# KiCad board JumperlessV5r6.kicad_pcb (continued)
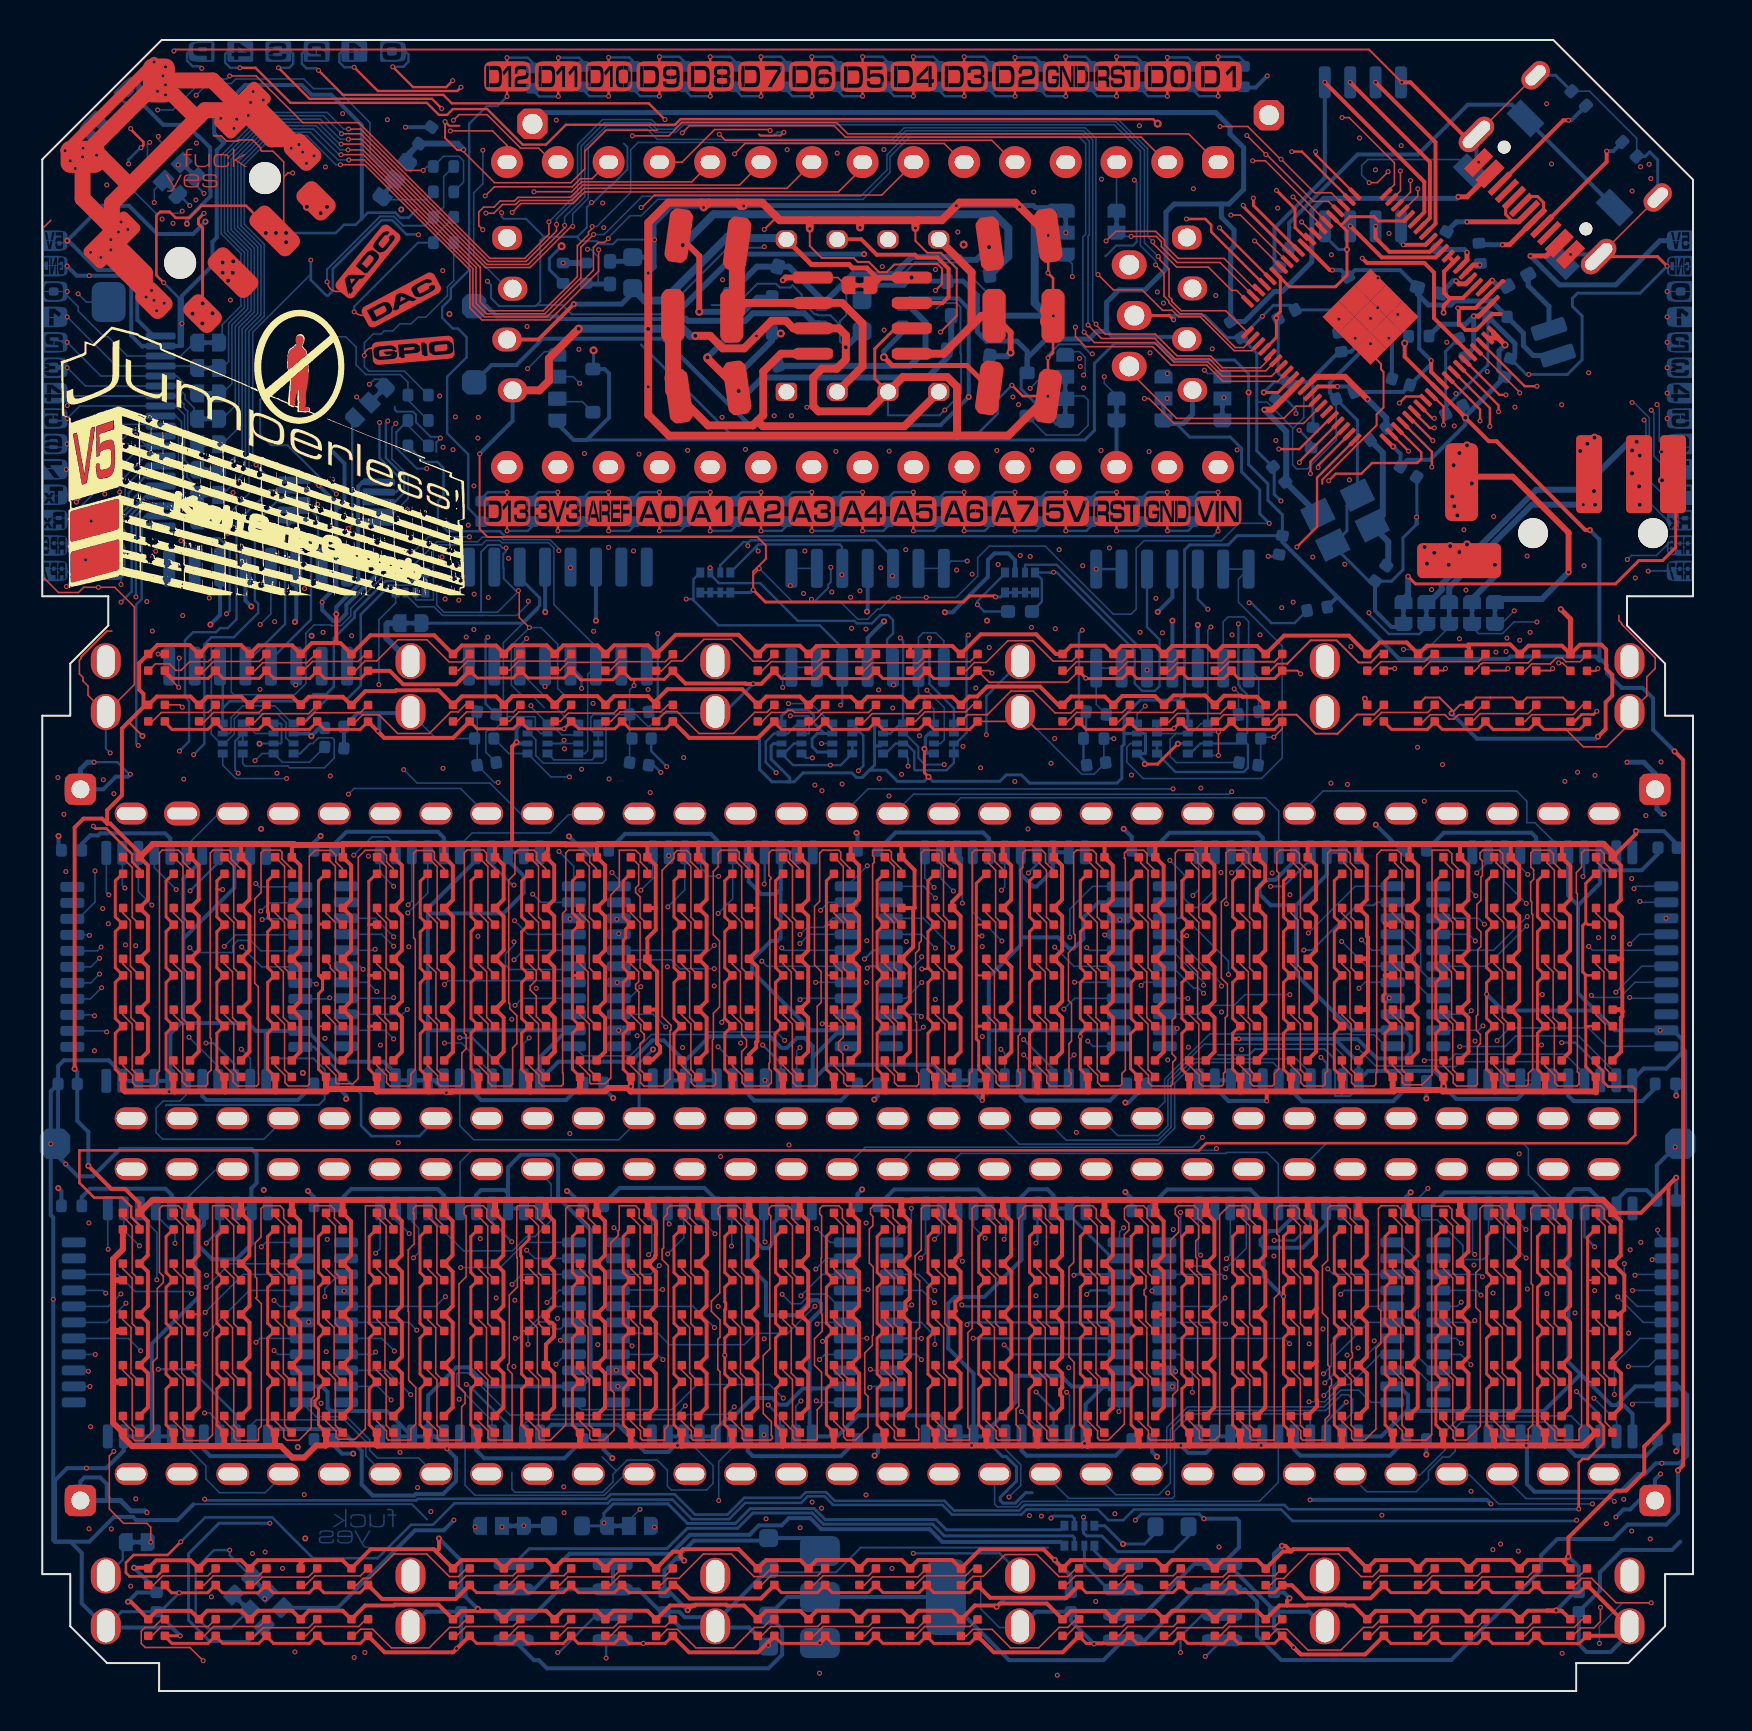
[diagram p0: board, top side]
## Footprints (pads in the part's own frame, mm; a bottom-side part is the same pattern mirrored in y, then rotated) (continued)
C_0402_1005Metric
  rrect 0.56x0.62 smd: 1(-0.48,0) 2(0.48,0)
C_0402_1005Metric_Pad0.74x0.62mm_HandSolder
  rrect 0.735x0.62 smd: 1(-0.568,0) 2(0.568,0)
C_0603_1608Metric
  rrect 0.9x0.95 smd: 1(-0.775,0) 2(0.775,0)
Connector_1x4_OLED_FRICTION_FIT
  rrect 1.48x1.2 hole 0.9: 1(-0.279,3.83)
  oval 1.48x1.2 hole 0.9: 2(0,1.29) 3(-0.279,-1.25) 4(0,-3.79)
Crystal_SMD_3225-4Pin_3.2x2.5mm
  rect 1.4x1.2 smd: 1(-1.1,-0.85) 2(1.1,-0.85) 3(1.1,0.85) 4(-1.1,0.85)
D_SOD-323
  rrect 0.635x0.762 smd: 1(-1.079,0) 2(1.079,0)
DaisyChainHeaderLEFT
  custom 0.046x0.046 smd: 1(0,0) 2(-0.002,-1.269) 3(0,-2.54) 4(0,-3.81) 5(0,-5.08) 6(0,-6.35) 7(0,-7.62) 8(0,-8.89) 9(0,-10.16) 10(0,-11.43) 11(0,-12.7) 12(0,-13.97) 13(0,-15.24) 14(0,-16.51)
daisychainRIGHT
  custom 0.046x0.046 smd: 1(0,0) 2(0,-1.27) 3(0,-2.54) 3(0,-2.54) 4(0,-3.81) 5(0,-5.08) 6(0,-6.35) 7(0,-7.62) 8(0,-8.89) 9(0,-10.16) 10(0,-11.43) 11(0,-12.7) 12(0,-13.97) 13(0,-15.24) 14(0,-16.51)
DIP8
  custom 0.9x0.9 hole 0.762x0.8: 1(-3.81,3.81) 2(-3.81,1.27) 3(-3.81,-1.27) 4(-3.81,-3.81) 5(3.81,-3.81) 6(3.81,-1.27) 7(3.81,1.27) 8(3.81,3.81)
FPC FC05-S20FCT
  rrect 0.35x1.5 smd: 1(0,0.75) 2(0.5,0.75) 3(1,0.75) 4(1.5,0.75) 5(2,0.75) 6(2.5,0.75) 7(3,0.75) 8(3.5,0.75) 9(4,0.75) 10(4.5,0.75) 11(5,0.75) 12(5.5,0.75) 13(6,0.75) 14(6.5,0.75) 15(7,0.75) 16(7.5,0.75) 17(8,0.75) 18(8.5,0.75) 19(9,0.75) 20(9.5,0.75)
  rrect 2x1.7 smd: MP(-1.7,3.35) MP(11.2,3.35)
L_pol_2016
  rrect 0.75x1.75 smd: 1(-0.7,0) 2(0.7,0)
Logo
  round 0.12 smd: 1(1.778,1.575) 2(-1.7,-1.345)
  custom 0.254x0.254 smd: 1(1.8,1.615) 2(-1.7,-1.345)
  custom 0.1x0.1 smd: 3(-10.795,-8.255) 4(-10.795,-10.16) 5(-10.8,-5.6) 6(-9.8,-5.4)
  custom 0.01x0.01 smd: 7(-11.27,-1.159) 7(-8.97,0.338) 7(-8.66,-0.37) 7(-6.85,-0.94) 7(-6.85,-1.57) 7(-6.12,-1) 7(-5.83,-0.85) 7(-5.35,-1.02) 7(-3.49,-1.77) 7(-2.48,-2.95)
  custom 0.001x0.001 smd: 7(-10.02,-1.148) 7(-9.938,-1.112) 7(-9.869,-1.326) 7(-9.838,-1.066) 7(-9.794,-1.044) 7(-9.748,-1.02) 7(-9.645,-1.222) 7(-9.602,-1.199) 7(-4.4,-1.48) 7(-2.24,-2.27) 7(-1.738,-3.6) 7(-1.63,-2.52) 8(-0.044,-4.22) 8(0.33,-3.81) 8(0.536,-3.4) 8(0.95,-4.309) 8(1.47,-3.99) 8(1.677,-3.89) 8(2.07,-4.01) 8(2.92,-4.61) 8(3.37,-4.87) 8(4.07,-4.82) 8(4.26,-5.36) 8(4.54,-5.691) 8(5.2,-5.742) 8(5.231,-6.25) 8(5.92,-5.6) 8(6.43,-6.11) 8(6.54,-6.719) 8(7.31,-6.17)
  round 0.001 smd: 8(4.349,-5.91)
LQFP44_Tight
  rrect 1.2x0.5 smd: 1(-6.106,3.599) 2(-6.106,2.799) 3(-6.106,1.999) 4(-6.106,1.199) 5(-6.106,0.399) 6(-6.106,-0.401) 7(-6.106,-1.201) 8(-6.106,-2.001) 9(-6.106,-2.801) 10(-6.106,-3.601) 11(-6.106,-4.401) 23(5.294,-4.401) 24(5.294,-3.601) 25(5.294,-2.801) 26(5.294,-2.001) 27(5.294,-1.201) 28(5.294,-0.401) 29(5.294,0.399) 30(5.294,1.199) 31(5.294,1.999) 32(5.294,2.799) 33(5.294,3.599)
  rrect 0.5x1.2 smd: 12(-4.406,-6.101) 13(-3.606,-6.101) 14(-2.806,-6.101) 15(-2.006,-6.101) 16(-1.206,-6.101) 17(-0.406,-6.101) 18(0.394,-6.101) 19(1.194,-6.101) 20(1.994,-6.101) 21(2.794,-6.101) 22(3.594,-6.101) 34(3.594,5.299) 35(2.794,5.299) 36(1.994,5.299) 37(1.194,5.299) 38(0.394,5.299) 39(-0.406,5.299) 40(-1.206,5.299) 41(-2.006,5.299) 42(-2.806,5.299) 43(-3.606,5.299) 44(-4.406,5.299)
MSOP-10_3x3mm_P0.5mm
  rrect 1.625x0.35 smd: 1(-2.112,1) 2(-2.112,0.5) 3(-2.112,0) 4(-2.112,-0.5) 5(-2.113,-1) 6(2.112,-1) 7(2.112,-0.5) 8(2.112,0) 9(2.112,0.5) 10(2.113,1)
NanoProbeBottom
  custom 0.1x0.1 smd: 1(-17.78,0) 2(-15.24,0) 3(-12.7,0) 4(-10.16,0) 5(-7.62,0) 6(-5.08,0) 7(-2.54,0) 8(0,0) 9(2.54,0) 10(5.08,0) 11(7.62,0) 12(10.16,0) 13(12.7,0) 14(15.24,0) 15(17.78,0)
  rect 0.12x0.06 smd: 1(-17.78,-1.27) 2(-15.24,-1.27) 3(-12.7,-1.27) 4(-10.16,-1.27) 5(-7.62,-1.27) 6(-5.08,-1.27) 7(-2.54,-1.27) 8(0,-1.27) 9(2.54,-1.27) 10(5.08,-1.27) 11(7.62,-1.27) 12(10.16,-1.27) 13(12.7,-1.27) 14(15.24,-1.27) 15(17.78,-1.27)
NanoProbeContactsTop
  rect 0.12x0.06 smd: 1(-17.865,-1.345) 2(-15.24,-1.27) 3(-12.7,-1.27) 4(-10.16,-1.27) 5(-7.62,-1.27) 6(-5.08,-1.27) 7(-2.54,-1.27) 8(0,-1.27) 9(2.54,-1.27) 10(5.08,-1.27) 11(7.62,-1.27) 12(10.16,-1.27) 13(12.7,-1.27) 14(15.24,-1.27) 15(17.78,-1.27)
  custom 0.1x0.1 smd: 1(-17.767,0) 2(-15.227,0) 3(-12.687,0) 4(-10.147,0) 5(-7.607,0) 6(-5.067,0) 7(-2.527,0) 8(0.051,-0.025) 9(2.553,0) 10(5.093,0) 11(7.633,0) 12(10.173,0) 13(12.713,0) 14(15.253,0) 15(17.793,0)
padADC75
  rect 0.12x0.06 smd: 1(0,0.381) 1(0,0) 1(0,-0.381)
  custom 0.065x0.065 smd: 1(0,0)
padDAC75
  rect 0.12x0.06 smd: 1(-1.905,0.127) 1(-1.905,-0.254)
  custom 0.051x0.051 smd: 1(0,-0.406)
padGPIO75
  rect 0.12x0.06 smd: 1(-1.905,-0.381) 1(-1.778,0.508)
  custom 0.025x0.025 smd: 1(0,-0.24)
PINHEADER-1x1_vertical
  custom 1.5x1.5 hole 1: 1(0,0)
PinHeader_1x1_Smaller
  custom 1x1 hole 0.9: 1(0,0)
PinHeader_1x03_P2.54mm_Vertical
  oval 1.75x1.45 hole 1: 1(0,0) 2(-0.254,-2.54) 3(0,-5.08)
R_0402_1005Metric
  rrect 0.54x0.64 smd: 1(-0.51,0) 2(0.51,0)
R_0402_1005Metric_Pad0.72x0.64mm_HandSolder
  rrect 0.715x0.64 smd: 1(-0.598,0) 2(0.598,0)
R_0603_1608Metric
  rrect 0.8x0.95 smd: 1(-0.825,0) 2(0.825,0)
R_Array_Convex_4x0402
  rect 0.5x0.4 smd: 1(-0.5,0.75) 4(-0.5,-0.75) 5(0.5,-0.75) 8(0.5,0.75)
  rect 0.5x0.3 smd: 2(-0.5,0.25) 3(-0.5,-0.25) 6(0.5,-0.25) 7(0.5,0.25)
RP2350-QFN-80-1EP_10x10_P0.4mm_EP3.4x3.4mm_ThermalVias
  rrect 1.2x1.2 smd: (-0.7,0.7) (-0.7,-0.7) (0.7,0.7) (0.7,-0.7)
  rrect 0.78x0.22 smd: 1(-4.896,3.8) 2(-4.896,3.4) 3(-4.896,3) 4(-4.896,2.6) 5(-4.896,2.2) 6(-4.896,1.8) 7(-4.896,1.4) 8(-4.896,1) 9(-4.896,0.6) 10(-4.896,0.2) 11(-4.896,-0.2) 12(-4.896,-0.6) 13(-4.896,-1) 14(-4.896,-1.4) 15(-4.896,-1.8) 16(-4.896,-2.2) 17(-4.896,-2.6) 18(-4.896,-3) 19(-4.896,-3.4) 20(-4.896,-3.8) 41(4.896,-3.8) 42(4.896,-3.4) 43(4.896,-3) 44(4.896,-2.6) 45(4.896,-2.2) 46(4.896,-1.8) 47(4.896,-1.4) 48(4.896,-1) 49(4.896,-0.6) 50(4.896,-0.2) 51(4.896,0.2) 52(4.896,0.6) 53(4.896,1) 54(4.896,1.4) 55(4.896,1.8) 56(4.896,2.2) 57(4.896,2.6) 58(4.896,3) 59(4.896,3.4) 60(4.896,3.8)
  rrect 0.22x0.78 smd: 21(-3.8,-4.896) 22(-3.4,-4.896) 23(-3,-4.896) 24(-2.6,-4.896) 25(-2.2,-4.896) 26(-1.8,-4.896) 27(-1.4,-4.896) 28(-1,-4.896) 29(-0.6,-4.896) 30(-0.2,-4.896) 31(0.2,-4.896) 32(0.6,-4.896) 33(1,-4.896) 34(1.4,-4.896) 35(1.8,-4.896) 36(2.2,-4.896) 37(2.6,-4.896) 38(3,-4.896) 39(3.4,-4.896) 40(3.8,-4.896) 61(3.8,4.896) 62(3.4,4.896) 63(3,4.896) 64(2.6,4.896) 65(2.2,4.896) 66(1.8,4.896) 67(1.4,4.896) 68(1,4.896) 69(0.6,4.896) 70(0.2,4.896) 71(-0.2,4.896) 72(-0.6,4.896) 73(-1,4.896) 74(-1.4,4.896) 75(-1.8,4.896) 76(-2.2,4.896) 77(-2.6,4.896) 78(-3,4.896) 79(-3.4,4.896) 80(-3.8,4.896)
  rect 1.133x1.133 smd: 81(-1.133,1.133) 81(-1.133,-1.133) 81(-1.133,0) 81(0,1.133) 81(0,0) 81(0,-1.133) 81(1.133,0) 81(1.133,1.133) 81(1.133,-1.133)
SIQ-02FVS3_Rotary_Encoder
  round 1.6 hole 1.6 unplated: (-3,-4.5) (3,-4.5)
  rrect 1.3x1.8 smd: 0(-5.25,-4.9)
  rrect 3x1.35 smd: 0(-4.6,-1.275) 0(4.6,-1.3)
  rrect 1.6x2.2 smd rot 45: 0(-2.7,2.7)
  rrect 1.6x2.2 smd rot 135: 0(2.7,2.7)
  rrect 1.3x1.825 smd: 0(5.25,-4.912)
  rrect 1.3x1.9 smd: 1(-4,-7.087)
  rrect 1.3x2.75 smd: 2(-1.475,-6.712) 3(1.475,-6.712)
  rrect 1.3x1.95 smd: 4(4,-7.112)
SOIC8
  custom 0.508x0.508 smd: 1(-2.5,1.905) 2(-2.5,0.635) 3(-2.5,-0.635) 4(-2.5,-1.905) 5(2.45,-1.905) 6(2.45,-0.635) 7(2.45,0.635) 8(2.45,1.905)
SOIC-8_5.23x5.23mm_P1.27mm
  rrect 1.6x0.6 smd: 1(-3.6,1.905) 2(-3.6,0.635) 3(-3.6,-0.635) 4(-3.6,-1.905) 5(3.6,-1.905) 6(3.6,-0.635) 7(3.6,0.635) 8(3.6,1.905)
SOIC-14_3.9x8.7mm_P1.27mm
  rrect 1.95x0.6 smd: 1(-2.475,3.81) 2(-2.475,2.54) 3(-2.475,1.27) 4(-2.475,0) 5(-2.475,-1.27) 6(-2.475,-2.54) 7(-2.475,-3.81) 8(2.475,-3.81) 9(2.475,-2.54) 10(2.475,-1.27) 11(2.475,0) 12(2.475,1.27) 13(2.475,2.54) 14(2.475,3.81)
SOIC-16_3.9x9.9mm_P1.27mm
  rrect 1.95x0.6 smd: 1(-2.475,4.445) 2(-2.475,3.175) 3(-2.475,1.905) 4(-2.475,0.635) 5(-2.475,-0.635) 6(-2.475,-1.905) 7(-2.475,-3.175) 8(-2.475,-4.445) 9(2.475,-4.445) 10(2.475,-3.175) 11(2.475,-1.905) 12(2.475,-0.635) 13(2.475,0.635) 14(2.475,1.905) 15(2.475,3.175) 16(2.475,4.445)
SolderJumper-3_Open
  custom 0.4x0.4 smd: 1(-1.3,0.05) 3(1.2,0.05)
  rrect 0.7x0.9 smd: 2(-0.05,0.05)
SolderJumper-3_P1.3mm_Bridged12_Pad1.0x1.5mm
  custom 0.4x0.4 smd: 1(-1.25,0) 3(1.25,0)
  rrect 0.7x0.9 smd: 2(0,0)
SolderJumper-Double
  rrect 0.7x0.9 smd: 1(-1.1,0) 2(-1.1,-1.27) 3(0,-1.27) 4(1.1,-1.27) 5(1.1,0) 6(0,0)
SolderJumper_2_Bridged_Small
  custom 0.4x0.4 smd: 1(-0.7,0) 2(0.7,0)
SolderJumper_2_Open_Small
  custom 0.4x0.4 smd: 1(-0.7,0) 2(0.7,0)
SOT-223-3_TabPin2
  rrect 2x1.5 smd: 1(-3.15,2.3) 2(-3.15,0) 3(-3.15,-2.3)
  rrect 2x3.8 smd: 2(3.15,0)
STX_3452_TRRRS_Audio_Jack
  round 1.5 hole 1.5 unplated: (0,-2) (0,-8)
  rrect 3.9x1.3 smd: 1(-2.95,-1) 4(-2.95,-5.2) 5(-2.95,-2.7)
  rrect 3.9x1.65 smd: 2(-2.55,-11.575)
  rrect 1.75x4.2 smd: 3(1.375,-11.7)
SW_SPST_TL3342
  rect 1.7x1 smd: 1(-3.15,1.9) 1(3.15,1.9) 2(-3.15,-1.9) 2(3.15,-1.9)
TestPoint_D0.75mm
  custom 1.2x1.2 smd: 1(0,0)
TestPoint_Pad_D1.0mm
  custom 1.5x1.5 smd: 1(0,0)
unnamed
  custom 0.046x0.046 smd far side: 6(0,0)
unnamed#2
  custom 0.046x0.046 smd far side: 3(0,0)
unnamed#3
  custom 0.046x0.046 smd far side: 4(0,0)
unnamed#4
  custom 0.046x0.046 smd far side: 5(0,0)
USB_C_Receptacle_HRO_TYPE-C-31-M-12
  round 0.65 hole 0.65 unplated: (-2.89,2.6) (2.89,2.6)
  rect 0.6x1.45 smd: A1(-3.25,4.045) A4(-2.45,4.045) A9(2.45,4.045) A12(3.25,4.045) B1(3.25,4.045) B4(2.45,4.045) B9(-2.45,4.045) B12(-3.25,4.045)
  rect 0.3x1.45 smd: A5(-1.25,4.045) A6(-0.25,4.045) A7(0.25,4.045) A8(1.25,4.045) B5(1.75,4.045) B6(0.75,4.045) B7(-0.75,4.045) B8(-1.75,4.045)
  oval 1x2.1 hole 0.6x1.7: S1(-4.32,3.13) S1(4.32,3.13)
  oval 1x1.6 hole 0.6x1.2: S1(-4.32,-1.05) S1(4.32,-1.05)
XL-1010RGBC-WS2812B
  rrect 0.43x0.43 smd: 1(-0.415,0.415) 2(0.415,0.415) 3(-0.415,-0.415) 4(0.415,-0.415)

## Nets
+1V1: C25.1 C38.1 C40.1 C41.1 L2.1 R80.1 U5.10 U5.32 U5.51
+3V3: C8.1 C16.1 C18.1 C19.1 C20.1 C21.1 C22.1 D2.2 JP18.2 R3.1 R8.1 R26.1 R27.1 R79.1 RN6.6 RN6.8 RN7.5 RN7.7 RN13.5 RN13.7 RN14.6 RN14.8 RN16.5 RN16.7 RN17.6 RN17.8 U2.2 U3.2 U3.5 U4.5 U5.5 U5.15 U5.24 U5.29 U5.41 U5.50 U5.59 U5.60 U5.64 U5.68 U5.69 U5.76 U8.8
+5V: C7.1 C9.1 C11.1 C28.1 C29.1 C30.1 C31.1 C32.1 C33.1 C34.1 C35.1 C36.1 C37.1 D3.2 D62.2 D1011.2 D1012.2 D1013.2 D1014.2 D1015.2 D1021.2 D1022.2 D1023.2 D1024.2 D1025.2 D1031.2 D1032.2 D1033.2 D1034.2 D1035.2 D1041.2 D1042.2 D1043.2 D1044.2 D1045.2 D1051.2 D1052.2 D1053.2 D1054.2 D1055.2 D1061.2 D1062.2 D1063.2 D1064.2 D1065.2 D1071.2 D1072.2 D1073.2 D1074.2 D1075.2 D1081.2 D1082.2 D1083.2 D1084.2 D1085.2 D1091.2 D1092.2 D1093.2 D1094.2 D1095.2 D1101.2 D1102.2 D1103.2 D1104.2 D1105.2 D1111.2 D1112.2 D1113.2 D1114.2 D1115.2 D1121.2 D1122.2 D1123.2 D1124.2 D1125.2 D1131.2 D1132.2 D1133.2 D1134.2 D1135.2 D1141.2 D1142.2 D1143.2 D1144.2 D1145.2 D1151.2 D1152.2 D1153.2 D1154.2 D1155.2 D1161.2 D1162.2 D1163.2 D1164.2 D1165.2 D1171.2 D1172.2 D1173.2 D1174.2 D1175.2 D1181.2 D1182.2 D1183.2 D1184.2 D1185.2 D1191.2 D1192.2 D1193.2 D1194.2 D1195.2 D1201.2 D1202.2 D1203.2 D1204.2 D1205.2 D1211.2 D1212.2 D1213.2 D1214.2 D1215.2 D1221.2 D1222.2 D1223.2 D1224.2 D1225.2 D1231.2 D1232.2 D1233.2 D1234.2 D1235.2 D1241.2 D1242.2 D1243.2 D1244.2 D1245.2 D1251.2 D1252.2 D1253.2 D1254.2 D1255.2 D1261.2 D1262.2 D1263.2 D1264.2 D1265.2 D1271.2 D1272.2 D1273.2 D1274.2 D1275.2 D1281.2 D1282.2 D1283.2 D1284.2 D1285.2 D1291.2 D1292.2 D1293.2 D1294.2 D1295.2 D1301.2 D1302.2 D1303.2 D1304.2 D1305.2 D1311.2 D1312.2 D1313.2 D1314.2 D1315.2 D1321.2 D1322.2 D1323.2 D1324.2 D1325.2 D1331.2 D1332.2 D1333.2 D1334.2 D1335.2 D1341.2 D1342.2 D1343.2 D1344.2 D1345.2 D1351.2 D1352.2 D1353.2 D1354.2 D1355.2 D1361.2 D1362.2 D1363.2 D1364.2 D1365.2 D1371.2 D1372.2 D1373.2 D1374.2 D1375.2 D1381.2 D1382.2 D1383.2 D1384.2 D1385.2 D1391.2 D1392.2 D1393.2 D1394.2 D1395.2 D1401.2 D1402.2 D1403.2 D1404.2 D1405.2 D1411.2 D1412.2 D1413.2 D1414.2 D1415.2 D1421.2 D1422.2 D1423.2 D1424.2 D1425.2 D1431.2 D1432.2 D1433.2 D1434.2 D1435.2 D1441.2 D1442.2 D1443.2 D1444.2 D1445.2 D1451.2 D1452.2 D1453.2 D1454.2 D1455.2 D1461.2 D1462.2 D1463.2 D1464.2 D1465.2 D1471.2 D1472.2 D1473.2 D1474.2 D1475.2 D1481.2 D1482.2 D1483.2 D1484.2 D1485.2 D1491.2 D1492.2 D1493.2 D1494.2 D1495.2 D1501.2 D1502.2 D1503.2 D1504.2 D1505.2 D1511.2 D1512.2 D1513.2 D1514.2 D1515.2 D1521.2 D1522.2 D1523.2 D1524.2 D1525.2 D1531.2 D1532.2 D1533.2 D1534.2 D1535.2 D1541.2 D1542.2 D1543.2 D1544.2 D1545.2 D1551.2 D1552.2 D1553.2 D1554.2 D1555.2 D1561.2 D1562.2 D1563.2 D1564.2 D1565.2 D1571.2 D1572.2 D1573.2 D1574.2 D1575.2 D1581.2 D1582.2 D1583.2 D1584.2 D1585.2 D1591.2 D1592.2 D1593.2 D1594.2 D1595.2 D1601.2 D1602.2 D1603.2 D1604.2 D1605.2 D1611.2 D1612.2 D1613.2 D1614.2 D1615.2 D1616.2 D1617.2 D1618.2 D1619.2 D1620.2 D1621.2 D1622.2 D1623.2 D1624.2 D1625.2 D1626.2 D1627.2 D1628.2 D1629.2 D1630.2 D1631.2 D1632.2 D1633.2 D1634.2 D1635.2 D1636.2 D1637.2 D1638.2 D1639.2 D1640.2 D1641.2 D1642.2 D1643.2 D1644.2 D1645.2 D1646.2 D1647.2 D1648.2 D1649.2 D1650.2 D1651.2 D1652.2 D1653.2 D1654.2 D1655.2 D1656.2 D1657.2 D1658.2 D1659.2 D1660.2 D1711.2 D1712.2 D1713.2 D1714.2 D1715.2 D1716.2 D1717.2 D1718.2 D1719.2 D1720.2 D1721.2 D1722.2 D1723.2 D1724.2 D1725.2 D1726.2 D1727.2 D1728.2 D1729.2 D1730.2 D1731.2 D1732.2 D1733.2 D1734.2 D1735.2 D1736.2 D1737.2 D1738.2 D1739.2 D1740.2 D1741.2 D1742.2 D1743.2 D1744.2 D1745.2 D1746.2 D1747.2 D1748.2 D1749.2 D1750.2 D1751.2 D1752.2 D1753.2 D1754.2 D1755.2 D1756.2 D1757.2 D1758.2 D1759.2 D1760.2 J2.A4 J2.A9 J2.B4 J2.B9 J5.1 J7.1 J8.1 J9.3 J10.3 J14.1 JP19.2 JP31.2 RN4.6 RN4.8 RN8.6 RN8.8 U1.8 U2.3 U9.8 U1806.1
+9V: D7.1 JP22.1 R21.1 R55.1 R56.1 R58.1 R59.1 R60.1 R61.1 R62.1 R63.1 R64.1 R65.1 R66.1 RN15.6 TP5.1 U7.4 U7.10 U10.4 U11.4 U1807.4
+9V_A: A2.38 R21.2
+9V_B: B1.38 R55.2
+9V_C: C26.38 R56.2
+9V_D: D70.38 R58.2
+9V_E: E1.38 R59.2
+9V_F: F5.38 R60.2
+9V_G: G1.38 R61.2
+9V_H: H1.38 R62.2
+9V_I: I1.38 R63.2
+9V_J: J6.38 R64.2
+9V_K: K1.38 R65.2
+9V_L: L1.38 R66.2
-9V: D4.2 JP21.2 R67.2 R68.2 R69.2 R70.2 R71.2 R72.2 R73.2 R74.2 R75.2 R76.2 R77.2 R78.2 TP6.1 U7.11 U10.6 U11.11 U1807.6
-9V_A: A2.16 R67.1
-9V_B: B1.16 R68.1
-9V_C: C26.16 R69.1
-9V_D: D70.16 R70.1
-9V_E: E1.16 R71.1
-9V_F: F5.16 R72.1
-9V_G: G1.16 R73.1
-9V_H: H1.16 R74.1
-9V_I: I1.16 R75.1
-9V_J: J6.16 R76.1
-9V_K: K1.16 R77.1
-9V_L: L1.16 R78.1
GND: A2.10 A2.12 A2.18 A2.19 A2.20 A2.21 A2.40 A2.42 A2.43 B1.10 B1.12 B1.18 B1.19 B1.20 B1.21 B1.40 B1.42 B1.43 C1.2 C4.1 C6.1 C7.2 C8.2 C9.2 C10.2 C11.2 C13.2 C14.2 C15.2 C16.2 C18.2 C19.2 C20.2 C21.2 C22.2 C23.2 C24.2 C25.2 C26.10 C26.12 C26.18 C26.19 C26.20 C26.21 C26.40 C26.42 C26.43 C27.2 C28.2 C29.2 C30.2 C31.2 C32.2 C33.2 C34.2 C35.2 C36.2 C37.2 C38.2 C39.2 C40.2 C41.2 C42.2 C43.2 C44.2 C45.2 C46.2 C1806.2 C1807.2 D68.1 D70.10 D70.12 D70.18 D70.19 D70.20 D70.21 D70.40 D70.42 D70.43 D1011.3 D1012.3 D1013.3 D1014.3 D1015.3 D1021.3 D1022.3 D1023.3 D1024.3 D1025.3 D1031.3 D1032.3 D1033.3 D1034.3 D1035.3 D1041.3 D1042.3 D1043.3 D1044.3 D1045.3 D1051.3 D1052.3 D1053.3 D1054.3 D1055.3 D1061.3 D1062.3 D1063.3 D1064.3 D1065.3 D1071.3 D1072.3 D1073.3 D1074.3 D1075.3 D1081.3 D1082.3 D1083.3 D1084.3 D1085.3 D1091.3 D1092.3 D1093.3 D1094.3 D1095.3 D1101.3 D1102.3 D1103.3 D1104.3 D1105.3 D1111.3 D1112.3 D1113.3 D1114.3 D1115.3 D1121.3 D1122.3 D1123.3 D1124.3 D1125.3 D1131.3 D1132.3 D1133.3 D1134.3 D1135.3 D1141.3 D1142.3 D1143.3 D1144.3 D1145.3 D1151.3 D1152.3 D1153.3 D1154.3 D1155.3 D1161.3 D1162.3 D1163.3 D1164.3 D1165.3 D1171.3 D1172.3 D1173.3 D1174.3 D1175.3 D1181.3 D1182.3 D1183.3 D1184.3 D1185.3 D1191.3 D1192.3 D1193.3 D1194.3 D1195.3 D1201.3 D1202.3 D1203.3 D1204.3 D1205.3 D1211.3 D1212.3 D1213.3 D1214.3 D1215.3 D1221.3 D1222.3 D1223.3 D1224.3 D1225.3 D1231.3 D1232.3 D1233.3 D1234.3 D1235.3 D1241.3 D1242.3 D1243.3 D1244.3 D1245.3 D1251.3 D1252.3 D1253.3 D1254.3 D1255.3 D1261.3 D1262.3 D1263.3 D1264.3 D1265.3 D1271.3 D1272.3 D1273.3 D1274.3 D1275.3 D1281.3 D1282.3 D1283.3 D1284.3 D1285.3 D1291.3 D1292.3 D1293.3 D1294.3 D1295.3 D1301.3 D1302.3 D1303.3 D1304.3 D1305.3 D1311.3 D1312.3 D1313.3 D1314.3 D1315.3 D1321.3 D1322.3 D1323.3 D1324.3 D1325.3 D1331.3 D1332.3 D1333.3 D1334.3 D1335.3 D1341.3 D1342.3 D1343.3 D1344.3 D1345.3 D1351.3 D1352.3 D1353.3 D1354.3 D1355.3 D1361.3 D1362.3 D1363.3 D1364.3 D1365.3 D1371.3 D1372.3 D1373.3 D1374.3 D1375.3 D1381.3 D1382.3 D1383.3 D1384.3 D1385.3 D1391.3 D1392.3 D1393.3 D1394.3 D1395.3 D1401.3 D1402.3 D1403.3 D1404.3 D1405.3 D1411.3 D1412.3 D1413.3 D1414.3 D1415.3 D1421.3 D1422.3 D1423.3 D1424.3 D1425.3 D1431.3 D1432.3 D1433.3 D1434.3 D1435.3 D1441.3 D1442.3 D1443.3 D1444.3 D1445.3 D1451.3 D1452.3 D1453.3 D1454.3 D1455.3 D1461.3 D1462.3 D1463.3 D1464.3 D1465.3 D1471.3 D1472.3 D1473.3 D1474.3 D1475.3 D1481.3 D1482.3 D1483.3 D1484.3 D1485.3 D1491.3 D1492.3 D1493.3 D1494.3 D1495.3 D1501.3 D1502.3 D1503.3 D1504.3 D1505.3 D1511.3 D1512.3 D1513.3 D1514.3 D1515.3 D1521.3 D1522.3 D1523.3 D1524.3 D1525.3 D1531.3 D1532.3 D1533.3 D1534.3 D1535.3 D1541.3 D1542.3 D1543.3 D1544.3 D1545.3 D1551.3 D1552.3 D1553.3 D1554.3 D1555.3 D1561.3 D1562.3 D1563.3 D1564.3 D1565.3 D1571.3 D1572.3 D1573.3 D1574.3 D1575.3 D1581.3 D1582.3 D1583.3 D1584.3 D1585.3 D1591.3 D1592.3 D1593.3 D1594.3 D1595.3 D1601.3 D1602.3 D1603.3 D1604.3 D1605.3 D1611.3 D1612.3 D1613.3 D1614.3 D1615.3 D1616.3 D1617.3 D1618.3 D1619.3 D1620.3 D1621.3 D1622.3 D1623.3 D1624.3 D1625.3 D1626.3 D1627.3 D1628.3 D1629.3 D1630.3 D1631.3 D1632.3 D1633.3 D1634.3 D1635.3 D1636.3 D1637.3 D1638.3 D1639.3 D1640.3 D1641.3 D1642.3 D1643.3 D1644.3 D1645.3 D1646.3 D1647.3 D1648.3 D1649.3 D1650.3 D1651.3 D1652.3 D1653.3 D1654.3 D1655.3 D1656.3 D1657.3 D1658.3 D1659.3 D1660.3 D1711.3 D1712.3 D1713.3 D1714.3 D1715.3 D1716.3 D1717.3 D1718.3 D1719.3 D1720.3 D1721.3 D1722.3 D1723.3 D1724.3 D1725.3 D1726.3 D1727.3 D1728.3 D1729.3 D1730.3 D1731.3 D1732.3 D1733.3 D1734.3 D1735.3 D1736.3 D1737.3 D1738.3 D1739.3 D1740.3 D1741.3 D1742.3 D1743.3 D1744.3 D1745.3 D1746.3 D1747.3 D1748.3 D1749.3 D1750.3 D1751.3 D1752.3 D1753.3 D1754.3 D1755.3 D1756.3 D1757.3 D1758.3 D1759.3 D1760.3 E1.10 E1.12 E1.18 E1.19 E1.20 E1.21 E1.40 E1.42 E1.43 F5.10 F5.12 F5.18 F5.19 F5.20 F5.21 F5.40 F5.42 F5.43 G1.10 G1.12 G1.18 G1.19 G1.20 G1.21 G1.40 G1.42 G1.43 H1.10 H1.12 H1.18 H1.19 H1.20 H1.21 H1.40 H1.42 H1.43 I1.10 I1.12 I1.18 I1.19 I1.20 I1.21 I1.40 I1.42 I1.43 J1.2 J2.A1 J2.A12 J2.B1 J2.B12 J2.S1 J4.62 J4.64 J5.2 J6.10 J6.12 J6.18 J6.19 J6.20 J6.21 J6.40 J6.42 J6.43 J7.2 J8.2 J9.4 J10.4 JP10.1 JP11.3 JP12.1 JP13.1 K1.2 K1.10 K1.12 K1.18 K1.19 K1.20 K1.21 K1.40 K1.42 K1.43 L1.2 L1.10 L1.12 L1.18 L1.19 L1.20 L1.21 L1.40 L1.42 L1.43 R25.2 R28.2 R54.1 R82.2 RN6.2 RN6.4 RN10.2 RN10.3 RN14.2 RN14.4 RN15.1 RN15.2 RN15.3 RN15.4 RN17.2 RN17.4 RN18.1 RN18.2 RN18.3 RN18.4 RN19.2 RN19.3 SW1.1 SW3.3 TP19.1 TP25.1 U1.3 U2.1 U3.1 U3.6 U4.1 U4.2 U4.6 U5.62 U5.81 U8.4 U9.3 U9.6 U1806.10 Y1.2 Y1.4
VIN: JP9.1
1: A2.35 J4.1
2: A2.37 J4.2
3: A2.39 J4.3
4: A2.17 J4.4
5: A2.15 J4.5
6: A2.13 J4.6
7: A2.11 J4.7
8: B1.35 J4.8
9: B1.37 J4.9
10: B1.39 J4.10
11: B1.17 J4.11
12: B1.15 J4.12
13: B1.13 J4.13
14: B1.11 J4.14
15: C26.35 J4.15
16: C26.37 J4.16
17: C26.39 J4.17
18: C26.17 J4.18
19: C26.15 J4.19
20: C26.13 J4.20
21: C26.11 J4.21
22: D70.35 J4.22
23: D70.37 J4.23
24: D70.39 J4.24
25: D70.17 J4.25
26: D70.15 J4.26
27: D70.13 J4.27
28: D70.11 J4.28
29: J4.29 K1.31
30: J4.30 L1.31
31: E1.35 J4.31
32: E1.37 J4.32
33: E1.39 J4.33
34: E1.17 J4.34
35: E1.15 J4.35
36: E1.13 J4.36
37: E1.11 J4.37
38: F5.35 J4.38
39: F5.37 J4.39
40: F5.39 J4.40
41: F5.17 J4.41
42: F5.15 J4.42
43: F5.13 J4.43
44: F5.11 J4.44
45: G1.35 J4.45
46: G1.37 J4.46
47: G1.39 J4.47
48: G1.17 J4.48
49: G1.15 J4.49
50: G1.13 J4.50
51: G1.11 J4.51
52: H1.35 J4.52
53: H1.37 J4.53
54: H1.39 J4.54
55: H1.17 J4.55
56: H1.15 J4.56
57: H1.13 J4.57
58: H1.11 J4.58
59: J4.59 K1.30
60: J4.60 L1.30
/AB0: A2.29 B1.31
/AB1: A2.28 B1.30
/AC0: A2.27 C26.31
/AC1: A2.26 C26.30
/AD0: A2.3 D70.31
/AD1: A2.4 D70.30
/AE0: A2.5 E1.31
/AF0: A2.7 F5.31
/AF1: A2.8 F5.30
/AG0: A2.25 G1.31
/AH0: A2.1 H1.31
/AH1: A2.2 H1.30
/BC0: B1.27 C26.29
/BC1: B1.26 C26.28
/BD0: B1.3 D70.29
/BD1: B1.4 D70.28
/BE0: B1.5 E1.29
/BE1: B1.6 E1.28
/BF0: B1.7 F5.29
/BG0: B1.25 G1.29
/BG1: B1.24 G1.28
/BH0: B1.1 H1.29
/CD0: C26.3 D70.27
/CD1: C26.4 D70.26
/CE0: C26.5 E1.27
/CF0: C26.7 F5.27
/CF1: C26.8 F5.26
/CG0: C26.25 G1.27
/CH0: C26.1 H1.27
/CH1: C26.2 H1.26
/DE0: D70.5 E1.3
/DE1: D70.6 E1.4
/DF0: D70.7 F5.3
/DG0: D70.25 G1.3
/DG1: D70.24 G1.4
/DH0: D70.1 H1.3
/EF0: E1.7 F5.5
/EF1: E1.8 F5.6
/EG0: E1.25 G1.5
/EG1: E1.24 G1.6
/EH0: E1.1 H1.5
/EH1: E1.2 H1.6
/FG0: F5.25 G1.7
/FG1: F5.24 G1.8
/FH0: F5.1 H1.7
/FH1: F5.2 H1.8
/GH0: G1.1 H1.25
/GH1: G1.2 H1.24
/QSPI_SCLK: U5.71 U8.6
/QSPI_SD0: U5.72 U8.5
/QSPI_SD1: U5.74 U8.2
/QSPI_SD2: U5.73 U8.3
/QSPI_SD3: U5.70 U8.7
/QSPI_SS: R5.1 U5.75 U8.1
/RUN: U5.35
/SWCLK: J1.1 U5.33
/SWD: J1.3 U5.34
/USB_D+: J2.A6 J2.B6 R85.1
/USB_D-: J2.A7 J2.B7 R86.1
/VREG_AVDD: C39.1 R79.2 U5.61
/VREG_LX: R90.2 U5.63
/XIN: C13.1 U5.30 Y1.1
/XOUT: R12.1 U5.31
/~{USB_BOOT}: R5.2 SW1.2
A0: A1.19 I1.31
A1: A1.20 J6.30
A2: A1.21 I1.29
A3: A1.22 J6.28
A4: A1.23 I1.27
A5: A1.24 J6.26
A6: A1.25 I1.3
A7: A1.26 J6.4
ADC_BUFFERED_5V_4: C46.1 R82.1 R87.2 U5.55
ADC_BUFFERED_+-8V_0: C42.1 RN13.1 RN13.2 RN14.1 RN14.7 U5.49
ADC_BUFFERED_+-8V_1: C43.1 RN13.3 RN13.4 RN14.3 RN14.5 U5.52
ADC_BUFFERED_+-8V_2: C44.1 RN16.1 RN16.2 RN17.1 RN17.7 U5.53
ADC_BUFFERED_+-8V_3: C45.1 RN16.3 RN16.4 RN17.3 RN17.5 U5.54
ADC_BUFFERED_+-8V_PROBE: C24.1 RN6.3 RN6.5 RN7.3 RN7.4 U5.58
ADC_PROBE_SENSE: J11.1 R54.2 U5.56
ADC_UNBUFFERED_5V_4: L1.28 NOREF#8.5 RN15.7 U7.12
ADC_UNBUFFERED_+-8V_0: J5.15 K1.5 NOREF#6.3 RN18.8 U11.3
ADC_UNBUFFERED_+-8V_1: J5.16 K1.6 NOREF#3.4 RN18.7 U11.5
ADC_UNBUFFERED_+-8V_2: J5.17 K1.7 NOREF#4.5 RN18.6 U11.10
ADC_UNBUFFERED_+-8V_3: J5.18 K1.8 NOREF.6 RN18.5 U11.12
ADC_UNBUFFERED_+-8V_PROBE: JP14.1 NOREF#7.3 R88.2 RN15.5 U7.5
AI: A2.31 I1.33
AJ: A2.30 J6.33
AK: A2.6 K1.33
AL: A2.24 L1.33
AREF: A1.18 K1.28
BI: B1.29 I1.35
BJ: B1.28 J6.35
BK: B1.8 K1.35
BL: B1.2 L1.35
BOTTOM_RAIL: J4.63 JP4.2 K1.26
Cap+: C2.2 C3.1 U1.2 U9.2
Cap-: C3.2 C5.1 U1.4 U9.4
CI: C26.27 I1.37
CJ: C26.26 J6.37
CK: C26.24 K1.37
CL: C26.6 L1.37
CLK: A2.34 B1.34 C26.34 D70.34 E1.34 F5.34 G1.34 H1.34 I1.34 J6.34 K1.34 L1.34 U5.14
CS_A: A2.14 U5.36
CS_B: B1.14 U5.37
CS_C: C26.14 U5.38
CS_D: D70.14 U5.39
CS_E: E1.14 U5.40
CS_F: F5.14 U5.42
CS_G: G1.14 U5.43
CS_H: H1.14 U5.44
CS_I: I1.14 U5.45
CS_J: J6.14 U5.46
CS_K: K1.14 U5.47
CS_L: L1.14 U5.48
CURR_SENSE+: JP5.1 R1.1 RN2.6 U12.4
CURR_SENSE-: JP6.1 R1.2 RN2.5 U12.5
D0: A1.2 J6.31
D1: A1.1 I1.30
D2: A1.5 J6.29
D3: A1.6 I1.28
D4: A1.7 J6.27
D5: A1.8 I1.26
D6: A1.9 J6.3
D7: A1.10 I1.4
D8: A1.11 J6.5
D9: A1.12 I1.6
D10: A1.13 J6.6
D11: A1.14 I1.5
D12: A1.15 J6.7
D13: A1.16 I1.7
DAC_0: J5.19 K1.4 R57.2 RN2.7
DAC_0_OUT: U10.13 U1806.6
DAC_1: J5.20 K1.3 U12.2 U12.6
DAC_1_OUT: U10.12 U1806.7
DAC_2_OUT: U1806.8 U1807.13
DAC_3_OUT: U1806.9 U1807.12